# KiCad board microcyte_panel.kicad_pcb (continued)
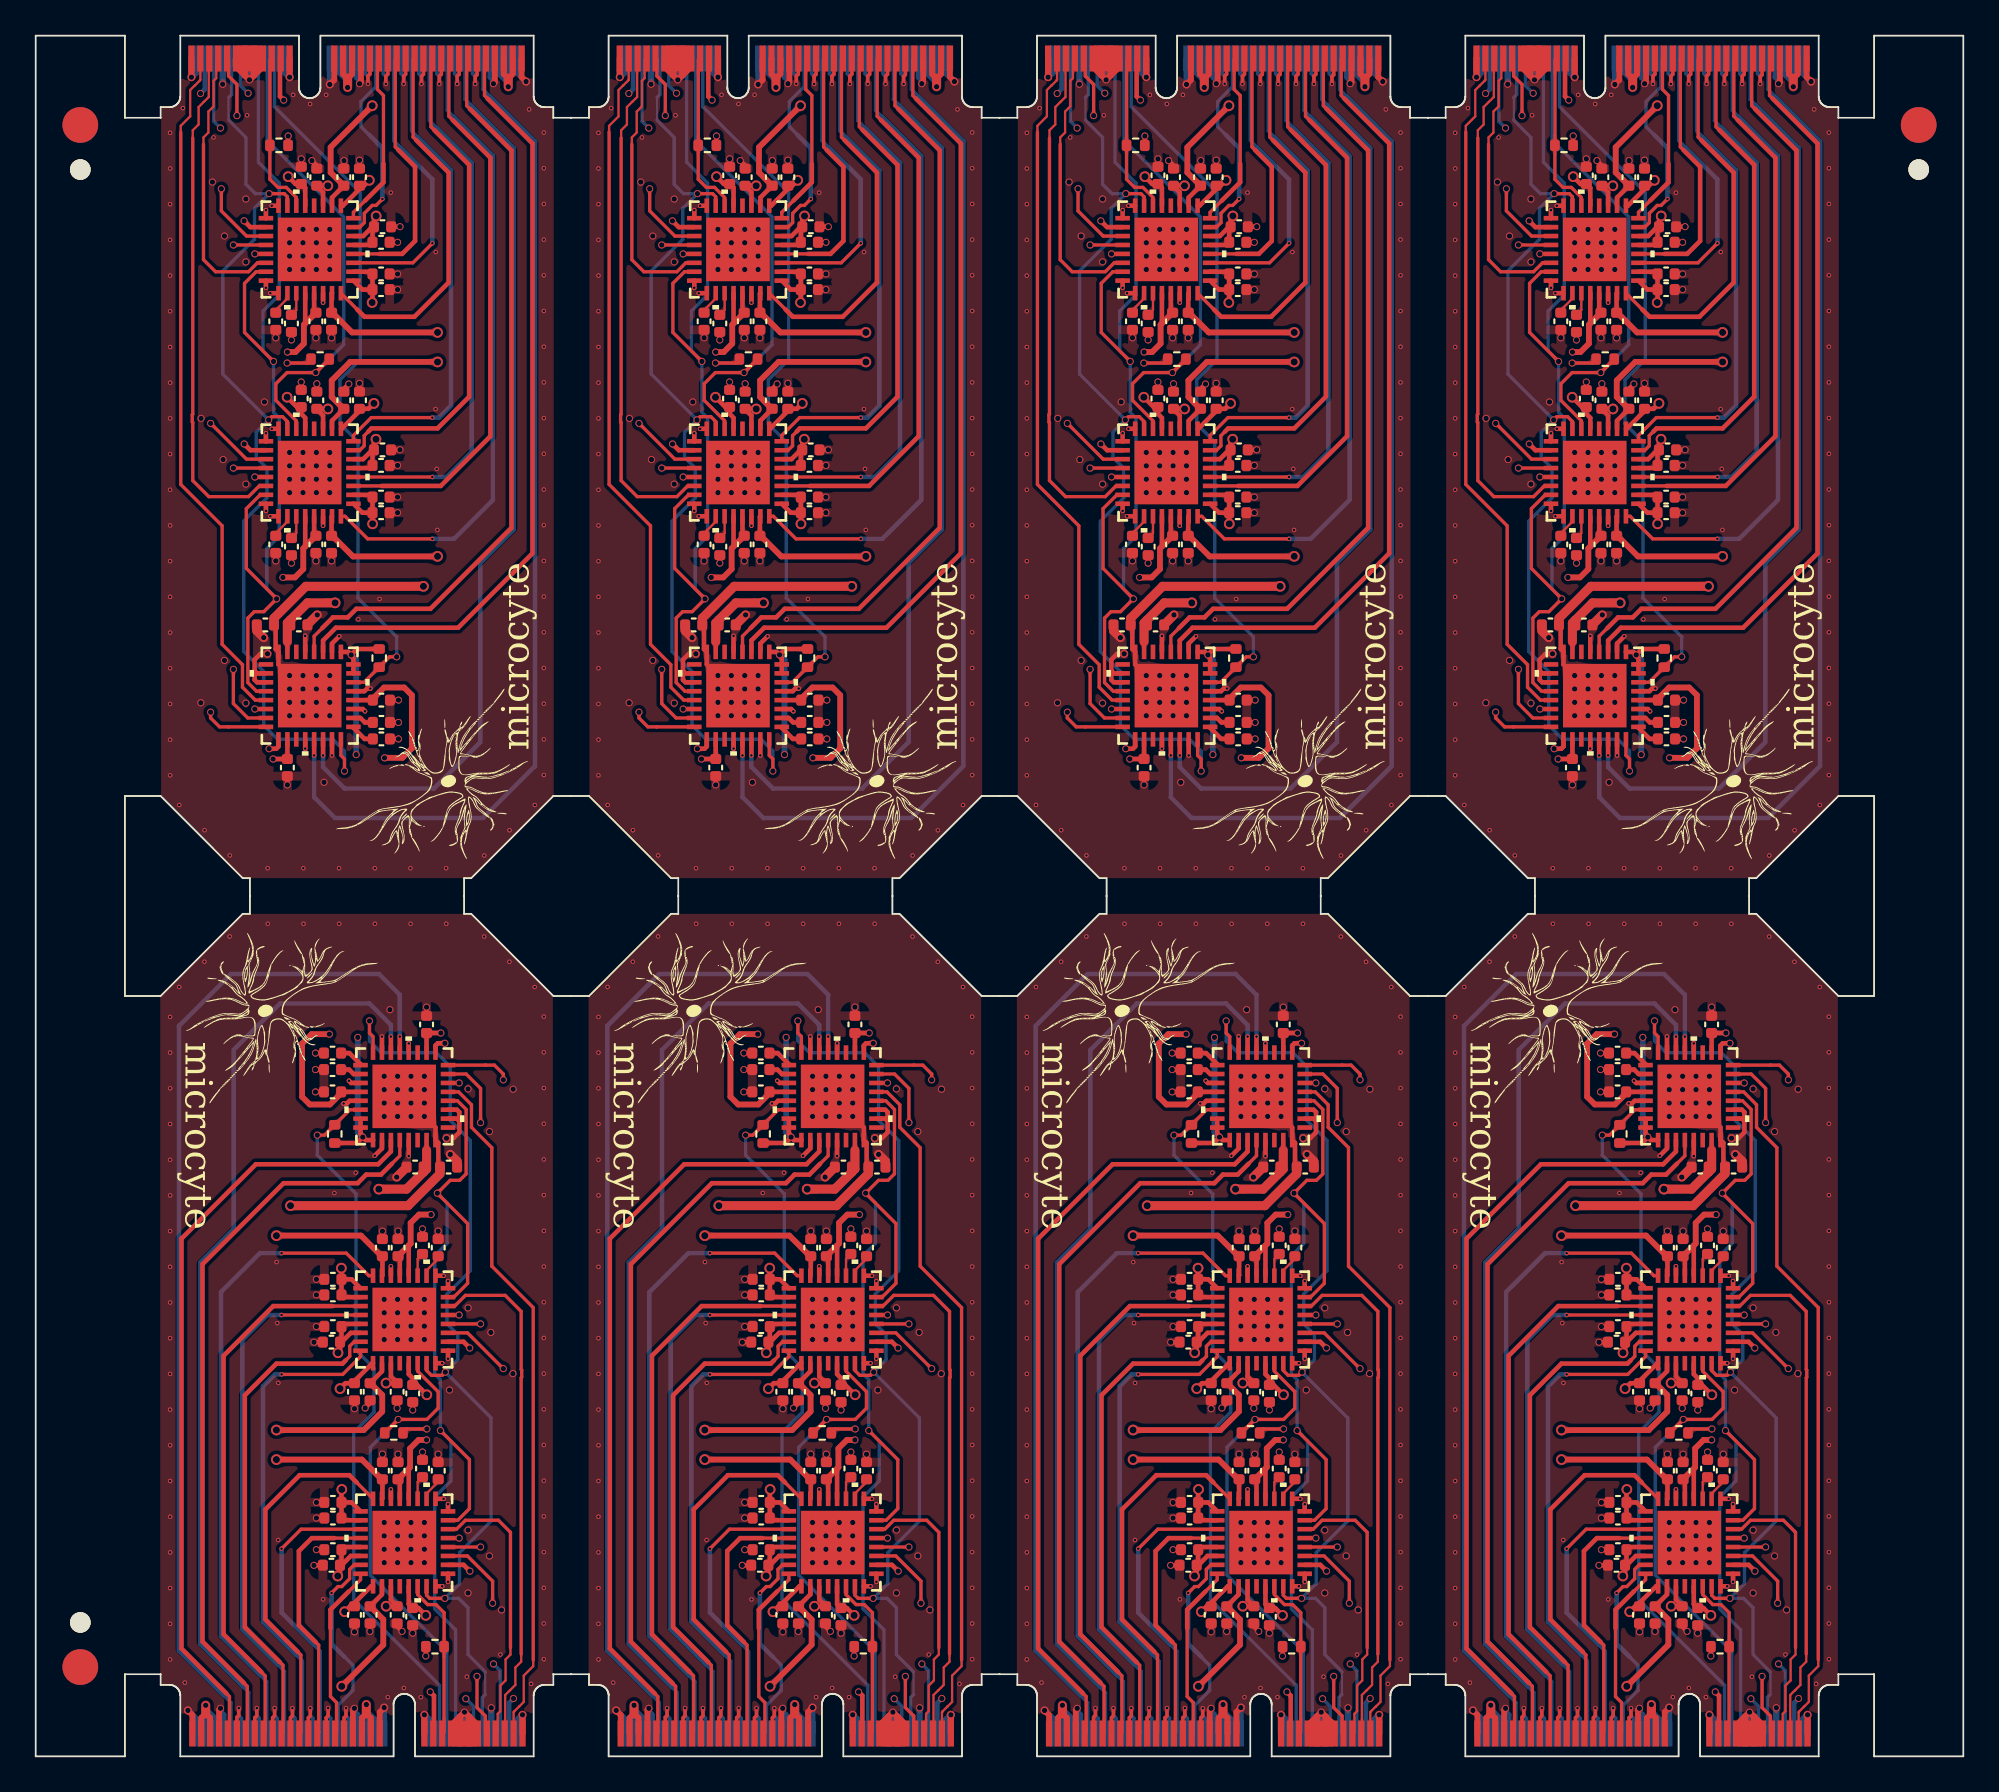
[diagram p0: board, top side]
## Routing (per net, layer and track width the routed paths; a pad name or vN(x,y) marks a point on that pad's centre or on a via; arc(x,y) is an arc through that point) (continued)
  In3.Cu w0.186: v2(49.65,5.18) 49.61,5.22 49.61,8.57 v2(49.6,8.58) 50.2,9.18 v2(50.2,21.72) v2(50.2,37.9)
  Bottom w0.186: J1#5.6 50.03,4.8 v2(49.65,5.18)
Board_5-Net-(U1-REF): length 1.4
  Top w0.127: U1.10 45.9,14.73 46.55,15.38 C3#2.1
Board_5-Net-(U1-REFCOMP): length 1.3
  Top w0.127: U1.11 45.4,15.37 C4#8.1
Board_5-Net-(U2-REF): length 1.4
  Top w0.127: U2#3.10 45.9,27.23 46.55,27.88 C5#7.1
Board_5-Net-(U2-REFCOMP): length 1.3
  Top w0.127: U2#3.11 45.4,27.87 C6#5.1
Board_5-Net-(U3-REF): length 1.4
  Top w0.254: C1#3.1 41.58,39.4 42.2,38.78 U3#3.25
Board_5-Net-(U3-REFCOMP): length 1.2
  Top w0.254: U3#3.26 41.81,38.23 41.56,38.48 C2#5.1
Board_5-SCLK: length 38.7
  Top w0.186: v2(47.73,24.73) 47.1,24.73 ; v2(47.73,37.73) U3#3.14 ; U1.5 v2(47.73,12.23)
  In3.Cu w0.186: v2(48.1,3.23) 47.73,3.6 v2(47.73,12.23) v2(47.73,24.73) v2(47.73,37.73)
  Bottom w0.186: v2(48.1,3.23) 48.53,2.8 J1#5.12
Board_5-SS1: length 15.7
  Top w0.127: 50.6,6.09 50.6,5.7 50.33,5.43 50.33,4.25 50.04,3.96 50.04,2.53 49.89,2.38 49.89,1.39 J1#5.7
  Top w0.186: U1.6 47.58,12.73 48.08,13.23 49.93,13.23 50.6,12.55 50.6,6.09 ; 49.85,1.35 J1#5.7
Board_5-SS2: length 28.8
  Top w0.127: 51.2,5.74 51.2,5.3 50.88,4.98 50.88,4 50.58,3.7 50.58,3.7 50.3,3.43 50.3,1.3 J1#5.5
  Top w0.186: 51.2,5.74 51.2,21.21 51.23,21.24 51.23,21.64 51.2,21.67 51.2,24.93 50.3,25.83 48.08,25.83 47.48,25.23 U2#3.6
Board_5-SS3: length 38.7
  Top w0.127: 51.88,5.41 51.88,5.05 51.35,4.52 51.35,3.05 51.09,2.79 51.08,2.79 50.81,2.52 50.81,2.51 50.78,2.48 J1#5.3
  Top w0.186: U3#3.13 47.69,37.23 48.42,36.5 48.42,35.24 49.56,34.1 49.56,27.46 51.88,25.14 51.88,5.41
Board_5-TEMP: length 40.4
  Top w0.186: U3#3.30 41.6,36.23 R5#8.2 40.18,34.8 v2(39.78,34.8)
  Bottom w0.127: 46.63,1.38 J1#5.20
  Bottom w0.186: 46.63,1.38 46.63,3.98 41.82,8.79 41.82,18.14 42.95,19.28 42.95,21.75 41.95,22.76 41.95,31.51 39.78,33.68 v2(39.78,34.8)
Board_5-Vb0: length 43.3
  Top w0.186: J1#5.67 34.86,1.36 34.86,3.35 34.68,3.53
  Top w0.254: U3#3.3 43.9,33.88 43.19,33.17 36.34,33.17 32.17,29 32.17,6.04 34.68,3.53
Board_5-Vb1: length 41.8
  Top w0.186: 35.67,4.11 35.86,3.92 35.86,1.36 J1#5.63 ; 43.95,33.19 44.4,33.65 U3#3.4
  Top w0.254: 43.95,33.19 43.35,32.59 42.52,32.59 42.04,32.11 37.89,32.11 33.35,27.57 33.35,6.43 35.67,4.11
Board_5-Vb2: length 58.2
  Top w0.254: U3#3.21 v4(44.4,40.33)
  Bottom w0.186: 34.55,3.4 34.95,3 34.95,1.36 J1#5.66
  Bottom w0.254: v4(44.4,40.33) 44.4,42.66 43.24,43.83 34.94,43.83 32.03,40.92 32.03,5.92 34.55,3.4
Board_5-Vb3: length 52.2
  Top w0.254: U3#3.22 v4(43.9,40.33)
  Bottom w0.127: v4(43.9,40.33) 43.9,40.28
  Bottom w0.186: 35.63,3.89 35.95,3.57 35.95,1.36 J1#5.62
  Bottom w0.254: 35.63,3.89 33.23,6.29 33.23,27.67 35.1,29.54 35.1,39.58 37.7,42.18 42.7,42.18 43.9,40.97 v4(43.9,40.33)
Board_6-+5V: length 46.6
  Top w0.186: 70.3,1.29 70.28,1.28
  Top w0.2: v2(69.92,18.34) 68.8,18.34 R1.1 ; v2(69.86,5.62) 69.86,5.63 R3#8.1
  Top w0.254: 65.11,37.21 C30#3.1 66.2,37.23 ; v2(72.33,10.38) 71.98,10.73 U1#4.2 ; U3#5.18 C29#3.1 v2(70.7,40.53) ; U2.2 71.97,23.23 v2(72.32,22.88) ; 68.29,15.52 68.4,15.41 U1#4.13 ; v2(66.33,34.69) 66.49,34.52 U3#5.1 66.9,34.53 ; v2(66.33,34.69) 66,34.36 R5#5.1 ; v2(66.33,34.69) 66.33,34.76 66.2,34.88 U3#5.32 U3#5.31 ; 70.3,1.29 70.32,1.32 70.32,3.4 v2(70.11,3.61) ; v1(69.91,20.26) 69.91,20.26 69.36,20.81 C26#8.1 69.12,21.19 68.9,21.41 U2.29 ; 68.29,28.02 68.4,27.91 U2.13 ; v1(69.86,7.9) 69.45,8.31 C16#4.1 68.9,8.53 U1#4.29 ; U3#5.17 70.4,39.82 70.53,39.95 v2(70.93,39.95) ; U2.12 68.9,28.62 ; U1#4.12 68.9,16.12
  Top w0.325: C25#2.1 69.01,28.73 69.01,29.88 69.48,30.35 v2(70.15,30.35) ; v2(64.46,40.46) 63.46,40.46 62.93,39.93 62.93,36.95 63.36,36.52 64.49,36.52 65.11,37.15 65.11,37.21 ; v2(69.9,17.73) 69.45,17.73 68.98,17.25 68.98,16.19 C15#6.1
  Bottom w0.254: v2(74.77,3.24) 74.53,3 J1#3.4
  Bottom w0.325: v2(66.05,40.28) 66.05,34.97 v2(66.33,34.69)
Board_6-+10V: length 36.2
  Top w0.2: U3#5.7 69.9,33.95
  Top w0.254: v1(65.13,27.35) 65.13,27.34 C17#5.1 ; U1#4.25 66.79,9.52 65.86,8.6 65.86,8.49 ; 66.2,11.23 65.65,11.23 65.13,10.71 ; U2.27 67.9,21.27 68.27,20.91 ; C17#5.1 C18#2.1 65.26,25.73 U2.18 ; C17#5.1 65.7,26.73 U2.17 ; 65.86,8.48 65.86,8.41 65.61,8.41 v1(65.31,8.1) ; 68.25,20.91 67.64,20.91 v1(67.63,20.91) ; v1(64.94,22.61) 64.94,22.71 65.05,22.83 C20#4.1 65.13,23.29 C19#5.1 ; U1#4.27 67.9,8.77 68.27,8.41 ; C7.1 65.13,14.93 v1(65.15,14.95) ; C7.1 C8#6.1 65.26,13.23 U1#4.18 ; C7.1 65.7,14.23 U1#4.17 ; v1(64.93,10.1) 64.98,10.1 65.05,10.17 C10#2.1 65.13,10.79 C9#2.1 ; 65.14,23.21 65.66,23.72 U2.22 ; U1#4.21 65.28,11.73 ; U2.21 65.28,24.22 65.13,24.07 ; 68.25,8.41 67.64,8.41 v1(67.63,8.41) ; U2.25 66.86,22.02 65.86,21.03 65.86,20.98 65.86,20.91 65.36,20.91 v1(65.05,20.6)
  Top w0.325: 66.28,1.28 66.28,2.15 66.53,2.4 66.78,2.15 66.78,1.28
  Top w0.508: v2(66.53,2.9) 66.53,2.4 ; 69.9,33.95 69.9,32.91 69.74,32.74 ; 69.74,32.74 68.77,31.78 v1(67.23,31.78) ; 69.74,32.74 C27#5.1
  In2.Cu w0.508: v2(66.53,2.9) 66.53,3.4
  Bottom w0.325: J1#3.36 v2(66.53,2.9) 66.53,2.52 67.03,2.02 J1#3.34
Board_6--10V: length 51.2
  Top w0.254: v2(69.78,35.85) 70.4,35.23 U3#5.8 70.56,34.37 70.56,33.11 C28#4.1 ; 67.38,15.52 C14#3.1 67.43,14.45 U1#4.15 ; 67.43,28.02 67.43,26.95 U2.15 ; v1(61.49,29.17) 61.49,29.18 ; 67.38,28.02 C24#8.1 ; 66.75,20.91 66.74,20.91 67.4,21.57 U2.26 ; U1#4.26 67.4,9.07 66.74,8.41 ; v1(61.49,18.28) 61.49,18.28
  Top w0.325: 66.75,20.91 67.42,20.24 67.42,19.32 66.38,18.28 61.49,18.28 ; v1(61.49,16.62) 66.28,16.62 67.38,15.52 ; v1(65.15,3.92) 67.48,6.25 67.48,7.67 66.74,8.41 ; 57.78,1.28 57.78,2.15 57.53,2.4 57.28,2.15 57.28,1.28 ; 67.38,28.02 66.23,29.18 61.49,29.18
  Top w0.508: C28#4.1 70.65,32.64 68.87,30.85 v1(62.28,30.85) ; v2(57.53,2.86) 57.53,2.4
  In2.Cu w0.508: v2(57.53,2.86) 57.53,3.29
  Bottom w0.325: J1#3.72 v2(57.53,2.86) 57.53,2.63 58.03,2.13 J1#3.70
  vias: v2(67.53,38.1) v2(67.53,37.35) v2(67.53,36.6) v2(67.53,35.85) v2(68.28,38.1) v2(68.28,37.35) v2(68.28,36.6) v2(68.28,35.85) v2(69.03,38.1) v2(69.03,37.35) v2(69.03,36.6) v2(69.03,35.85) v2(69.78,38.1) v2(69.78,37.35) v2(69.78,36.6)
Board_6-CLR: length 53.8
  Top w0.186: v2(70.95,21.53) 70.77,21.35 70.17,21.35 69.9,21.62 U2.31 ; U3#5.24 66.9,40.32 66.7,40.53 v2(66.7,41.2) ; v2(70.93,8.85) 70.08,8.85 69.9,9.03 U1#4.31
  Bottom w0.127: 73.19,3.46 73.19,4.74
  Bottom w0.186: 73.19,3.46 73.03,3.3 J1#3.10 ; v2(66.7,41.2) 66.7,40.08 67.36,39.42 70.45,39.42 71.23,38.64 71.23,35.62 72.35,34.5 72.35,27.21 71.05,25.9 71.05,24.23 71.65,23.63 71.65,22.22 v2(70.95,21.53) 73.52,18.96 73.52,13.18 71.75,11.41 71.75,9.67 v2(70.93,8.85) 71.7,8.85 72.23,8.33 72.23,5.7 73.19,4.74
Board_6-FAULT1: length 9.2
  Top w0.186: U1#4.30 69.4,9.06 69.96,8.5 70.43,8.5 70.88,8.04 R3#8.2 70.88,6.14 70.88,1.38 70.78,1.28
Board_6-FAULT2: length 26.6
  Top w0.186: v2(68.31,18.88) 69.92,18.88 70.55,19.5 70.55,20.43 69.4,21.57 U2.30
  Top w0.2: v2(68.31,18.88) R1.2
  Bottom w0.186: v2(68.31,18.88) 66.75,17.31 66.75,10.16 71.03,5.88 J1#3.18
Board_6-GND: length 72.1
  Top w0.127: U2.9 70.41,26.93 ; U1#4.9 70.41,14.43
  Top w0.2: 59.28,1.28 59.28,2.19 59.38,2.29 v4(59.38,2.7) ; 63.28,1.28 63.28,2.16 63.39,2.27 v4(63.39,2.7) ; v4(64.39,2.7) 64.39,2.27 64.28,2.16 64.28,1.28 ; v4(62.39,2.7) 62.39,2.27 62.28,2.16 62.28,1.28 ; 65.28,1.27 65.28,2.16 65.39,2.27 v4(65.39,2.7) ; v4(60.39,2.7) 60.39,2.27 60.28,2.16 60.28,1.28 ; v4(61.39,2.7) 61.39,2.27 61.28,2.16 61.28,1.28
  Top w0.254: C22#3.2 v2(68.25,19.5) ; v2(65.86,19.48) C21#6.2 ; C15#6.2 v2(68.3,16.93) ; v4(70.78,22.03) 70.4,22.03 U2.32 ; v4(71.1,22.28) 71.1,22.72 U2.1 ; 67.43,28.98 v2(67.43,29.43) ; v4(71.1,26.62) 71.1,26.23 U2.8 ; C12#5.2 68.25,7.27 v2(68.53,7) ; C30#3.2 v2(63.68,37.23) ; v4(65.25,36.58) 65.44,36.58 65.59,36.73 66.2,36.73 ; v3(71.02,34.63) 71.41,34.63 71.74,34.96 71.74,35.58 ; U3#5.20 v4(68.9,39.94) ; C26#8.2 v2(69.12,19.4) ; C17#5.2 v2(63.73,26.72) ; U3#5.27 65.68,37.73 v4(65.55,37.85) ; v4(71.1,14.12) 71.1,13.73 U1#4.8 ; C19#5.2 v2(63.73,24.08) ; C25#2.2 v2(68.3,29.43) ; 71.74,35.58 71.74,36.09 71.6,36.22 U3#5.11 ; 71.74,35.58 71.59,35.73 U3#5.10 ; U3#5.5 v4(68.9,33.63) ; v2(65.86,6.98) C11#8.2 ; C9#2.2 v2(63.73,11.57) ; v4(67,33.65) 67.4,34.06 U3#5.2 ; C27#5.2 68.78,33 ; 64.17,23.2 v2(63.59,23.2) ; U3#5.23 v4(67.4,40.33) ; v4(70.85,26.93) U2.9 ; C4#4.2 v2(69.67,17.05) ; v2(66.46,19.51) 66.74,19.79 C23#3.2 ; v4(67.9,14.95) U1#4.14 ; C29#3.2 v2(69.9,41.98) ; C16#4.2 v2(69.12,6.9) ; 64.17,10.7 v2(63.59,10.7) ; C3#7.2 v2(70.55,16.93) ; 66.74,7.01 C13#3.2 ; C1#4.2 v2(63.68,39.4) ; v4(70.85,14.43) U1#4.9 ; C2#6.2 v2(63.68,38.48) ; C6.2 v2(69.67,29.55) ; v4(70.78,9.53) 70.4,9.53 U1#4.32 ; C14#3.2 v2(67.43,16.93) ; C8#6.2 v2(63.73,13.35) ; v4(71.1,9.78) 71.1,10.22 U1#4.1 ; C7.2 v2(63.73,14.22) ; v4(67.9,27.45) U2.14 ; C18#2.2 v2(63.73,25.85) ; C5#5.2 v2(70.55,29.43)
  Top w0.325: v3(67.52,2.73) 67.52,2.73 67.27,2.48 67.27,1.27 ; v2(58.36,2.69) 58.28,2.61 58.28,1.28 ; 56.78,1.28 56.78,2.32 v3(56.53,2.57) ; v2(65.86,2.69) 65.78,2.61 65.78,1.28
  Top w0.35: 72.28,2.23 72.28,1.28 ; 72.28,2.23 v2(72.03,2.48) 71.78,2.23 ; 72.28,2.23 72.78,1.73 72.78,1.28 ; 71.78,2.23 71.28,1.73 71.28,1.28 ; 71.78,2.23 71.78,1.28 ; 69.78,1.28 v3(69.78,2.33) ; 75.28,1.28 v3(75.28,2.33)
  Top w0.508: C28#4.2 71.61,33.34 v2(71.23,33.73) ; 68.78,33 v3(68.23,32.45)
  Bottom w0.186: v3(56.53,2.57) 56.54,2.57
  Bottom w0.2: 65.53,1.27 65.53,2.12 65.39,2.27 v4(65.39,2.7) ; J1#3.64 59.53,2.12 59.38,2.27 v4(59.38,2.7) ; J1#3.48 63.53,2.13 63.39,2.27 v4(63.39,2.7) ; v4(60.39,2.7) 60.39,2.27 60.53,2.13 J1#3.60 ; J1#3.52 62.53,2.13 62.39,2.27 v4(62.39,2.7) ; v4(64.39,2.7) 64.39,2.27 64.53,2.13 J1#3.44 ; v4(61.39,2.7) 61.39,2.27 61.53,2.13 J1#3.56
  Bottom w0.325: J1#3.38 66.03,2.32 65.86,2.49 v2(65.86,2.69) ; 56.54,2.57 57.03,2.08 57.03,1.28 ; J1#3.68 58.53,2.32 58.36,2.49 v2(58.36,2.69) ; 67.52,1.27 v3(67.52,2.73)
  Bottom w0.35: v2(72.03,2.48) J1#3.14 ; J1#3.2 75.03,2.08 v3(75.28,2.33) ; J1#3.8 v2(73.53,2.72) ; v3(69.78,2.33) 70.03,2.08 J1#3.22
  vias: v2(66.73,7) v2(67.53,25.6) v2(67.53,24.85) v2(67.53,24.1) v2(67.53,23.35) v2(67.53,13.1) v2(67.53,12.35) v2(67.53,11.6) v2(67.53,10.85) v2(67.85,41.83) v2(68.28,25.6) v2(68.28,24.85) v2(68.28,24.1) v2(68.28,23.35) v2(68.28,13.1) v2(68.28,12.35) v2(68.28,11.6) v2(68.28,10.85) v2(69.03,25.6) v2(69.03,24.85) v2(69.03,24.1) v2(69.03,23.35) v2(69.03,13.1) v2(69.03,12.35) v2(69.03,11.6) v2(69.03,10.85) v2(69.78,25.6) v2(69.78,24.85) v2(69.78,24.1) v2(69.78,23.35) v2(69.78,13.1) v2(69.78,12.35) v2(69.78,11.6) v2(69.78,10.85) v2(71.19,20.52) v2(72.23,37.39) v2(72.23,25.12) v2(72.23,12.68) v2(72.23,9.15) v2(73.43,35) v2(73.43,11.23) v2(73.5,23.75) v2(74.1,8.2) v2(74.75,37.38) v2(74.74,21.44) v4(55.53,41.43) v4(55.53,39.43) v4(55.53,37.43) v4(55.53,35.43) v4(55.53,33.43) v4(55.53,31.43) v4(55.53,29.43) v4(55.53,27.43) v4(55.53,25.43) v4(55.53,23.43) v4(55.53,21.43) v4(55.53,19.43) v4(55.53,17.43) v4(55.53,15.43) v4(55.53,13.43) v4(55.53,11.43) v4(55.53,9.43) v4(55.53,7.43) v4(55.53,5.43) v4(56.04,43.1) v4(56.36,4.13) v4(57.45,44.52) v4(58.87,45.93) v4(61,46.65) v4(61.5,27.69) v4(61.54,24.27) v4(61.6,20.92) v4(61.59,12.12) v4(63,46.65) v4(64.11,8.79) v4(64.74,31.56) v4(65,46.65) v4(65.93,32.7) v4(67,46.65) v4(67.73,3.31) v4(68.63,3.83) v4(69,46.65) v4(69.58,3.31) v4(71,46.65) v4(72.16,4.46) v4(73.13,45.93) v4(74.04,5.7) v4(74.54,44.51) v4(75.76,4.06) v4(75.96,43.1) v4(76.47,41.44) v4(76.47,39.44) v4(76.47,37.44) v4(76.47,35.44) v4(76.47,33.44) v4(76.47,31.44) v4(76.47,29.44) v4(76.47,27.44) v4(76.47,25.44) v4(76.47,23.44) v4(76.47,21.44) v4(76.47,19.44) v4(76.47,17.44) v4(76.47,15.44) v4(76.47,13.44) v4(76.47,11.44) v4(76.47,9.44) v4(76.47,7.44) v4(76.47,5.44)
Board_6-I0: length 9.8
  Top w0.186: 65.55,9.24 66.2,9.9 U1#4.24 ; 64.78,1.28 64.86,1.36 64.86,3.01 64.52,3.35 64.52,7.19
  Top w0.254: 65.55,9.24 64.52,8.21 64.52,7.19
Board_6-I1: length 11.3
  Top w0.186: U1#4.23 65.84,10.73 65.59,10.47 65.59,9.95 65.15,9.51 64.94,9.51 v4(64.58,9.15)
  Bottom w0.186: 65.32,5.56 65.78,5.1 65.78,3.69 64.95,2.86 64.95,1.36 J1#3.42
  Bottom w0.254: 65.32,5.56 64.58,6.3 v4(64.58,9.15)
Board_6-I2: length 14.5
  Top w0.186: U1#4.20 64.73,12.22 ; 63.68,6.41 63.86,6.23 63.86,1.36 63.78,1.28
  Top w0.254: 63.68,6.41 62.75,7.34 62.75,11.5 63.47,12.22 64.73,12.22
Board_6-I3: length 16.2
  Top w0.186: U1#4.19 62.87,12.73 v4(61.78,11.63)
  Bottom w0.186: J1#3.46 63.95,1.36 63.95,5.88 63.57,6.26
  Bottom w0.254: v4(61.78,11.63) 61.78,8.05 63.57,6.26
Board_6-I4: length 20.8
  Top w0.186: 65.98,15.35 U1#4.16 ; 62.68,5.86 62.86,5.68 62.86,1.36 62.78,1.28
  Top w0.254: 62.68,5.86 60.87,7.67 60.87,13.83 62.79,15.75 65.58,15.75 65.98,15.35
Board_6-I5: length 26.9
  Top w0.186: U2.24 66.2,22.4 65.2,21.4 v4(61.78,21.4)
  Bottom w0.186: 62.59,5.69 62.95,5.33 62.95,1.36 J1#3.50
  Bottom w0.254: 62.59,5.69 60.74,7.54 60.74,20.73 61.4,21.4 v4(61.78,21.4)
Board_6-I6: length 27.9
  Top w0.186: 65.36,22.18 65.6,22.41 65.6,22.98 65.84,23.23 U2.23 ; 61.68,5.28 61.86,5.1 61.86,1.36 61.78,1.28
  Top w0.254: 65.36,22.18 65.19,22 61.49,22 59.72,20.23 59.72,7.24 61.68,5.28
Board_6-I7: length 30.3
  Top w0.186: v4(61.78,24.72) U2.20
  Bottom w0.186: 61.57,5.13 61.95,4.75 61.95,1.36 J1#3.54
  Bottom w0.254: 61.57,5.13 59.58,7.12 59.58,23.32 60.98,24.72 v4(61.78,24.72)
Board_6-I8: length 31
  Top w0.186: U2.19 64.62,25.23 ; 60.78,1.28 60.86,1.36 60.86,4.51 60.64,4.73
  Top w0.254: 64.62,25.23 61.31,25.23 58.53,22.44 58.53,6.84 60.64,4.73
Board_6-I9: length 35.8
  Top w0.186: v4(61.78,28.19) 65.4,28.19 66.67,26.93 U2.16
  Bottom w0.186: 60.61,4.52 60.95,4.18 60.95,1.36 J1#3.58
  Bottom w0.254: 60.61,4.52 58.39,6.74 58.39,26.01 60.57,28.19 v4(61.78,28.19)
Board_6-LDAC: length 52.6
  Top w0.186: U3#5.12 71.63,36.73 72.12,36.24 72.12,32.63 71.76,32.27 71.22,32.27 v2(70.5,31.55) 70.5,31.55 72.2,29.84 72.2,26.5 71.43,25.73 U2.7 ; U1#4.7 71.65,13.23 72.3,13.88 72.3,16.62 v2(70.68,18.25)
  Bottom w0.186: v2(70.5,31.55) 71.05,31 71.05,28.74 70.36,28.05 70.36,21.42 70.68,21.1 v2(70.68,18.25) 71.26,17.66 71.26,15.43 70.36,14.52 70.36,8.26 71.53,7.09 J1#3.16
Board_6-MISO: length 42.3
  Top w0.186: v2(72.93,35.5) 72.93,37.42 72.12,38.23 U3#5.15 ; v2(72.73,4.48) 72.73,2.73 73.2,2.26 73.2,1.36 73.28,1.28 ; v2(72.93,24.23) U2.4 ; v2(72.93,11.73) U1#4.4
  In3.Cu w0.186: v2(72.93,35.5) v2(72.93,24.23) v2(72.93,11.73) 72.93,9.45 72.73,9.25 v2(72.73,4.48)
Board_6-MOSI: length 48.9
  Top w0.186: U3#5.16 73.7,38.73 74.2,38.23 v2(74.2,37.9) ; v2(73.6,8.58) 73.6,9.82 72.19,11.22 U1#4.3 ; U2.3 72.19,23.72 74.2,21.72 v2(74.2,21.72)
  In3.Cu w0.186: v2(74.2,37.9) v2(74.2,21.72) 74.2,9.18 v2(73.6,8.58) 73.61,8.57 73.61,5.22 v2(73.65,5.18)
  Bottom w0.186: J1#3.6 74.03,4.8 v2(73.65,5.18)
Board_6-Net-(U1-REF): length 1.4
  Top w0.127: C3#7.1 70.55,15.38 69.9,14.73 U1#4.10
Board_6-Net-(U1-REFCOMP): length 1.3
  Top w0.127: C4#4.1 69.4,15.37 U1#4.11
Board_6-Net-(U2-REF): length 1.4
  Top w0.127: C5#5.1 70.55,27.88 69.9,27.23 U2.10
Board_6-Net-(U2-REFCOMP): length 1.3
  Top w0.127: U2.11 69.4,27.87 C6.1
Board_6-Net-(U3-REF): length 1.4
  Top w0.254: U3#5.25 66.2,38.78 65.58,39.4 C1#4.1
Board_6-Net-(U3-REFCOMP): length 1.2
  Top w0.254: U3#5.26 65.81,38.23 65.56,38.48 C2#6.1
Board_6-SCLK: length 38.7
  Top w0.186: v2(71.73,37.73) U3#5.14 ; v2(71.73,24.73) 71.1,24.73 ; U1#4.5 v2(71.73,12.23)
  In3.Cu w0.186: v2(71.73,37.73) v2(71.73,24.73) v2(71.73,12.23) 71.73,3.6 v2(72.1,3.23)
  Bottom w0.186: v2(72.1,3.23) 72.53,2.8 J1#3.12
Board_6-SS1: length 15.7
  Top w0.127: 73.78,1.28 73.89,1.39 73.89,2.38 74.04,2.53 74.04,3.96 74.33,4.25 74.33,5.43 74.6,5.7 74.6,6.09
  Top w0.186: 73.85,1.35 73.78,1.28 ; U1#4.6 71.58,12.73 72.08,13.23 73.93,13.23 74.6,12.55 74.6,6.09
Board_6-SS2: length 28.8
  Top w0.127: 75.2,5.74 75.2,5.3 74.88,4.98 74.88,4 74.58,3.7 74.58,3.7 74.3,3.43 74.3,1.3 74.28,1.28
  Top w0.186: 75.2,5.74 75.2,21.21 75.23,21.24 75.23,21.64 75.2,21.67 75.2,24.93 74.3,25.83 72.08,25.83 71.48,25.23 U2.6
Board_6-SS3: length 38.7
  Top w0.127: 75.88,5.41 75.88,5.05 75.35,4.52 75.35,3.05 75.09,2.79 75.08,2.79 74.81,2.52 74.81,2.51 74.78,2.48 74.78,1.28
  Top w0.186: 75.88,5.41 75.88,25.14 73.56,27.46 73.56,34.1 72.42,35.24 72.42,36.5 71.69,37.23 U3#5.13
Board_6-TEMP: length 40.4
  Top w0.186: v2(63.78,34.8) 64.18,34.8 R5#5.2 65.6,36.23 U3#5.30
  Bottom w0.127: 70.63,1.38 J1#3.20
  Bottom w0.186: 70.63,1.38 70.63,3.98 65.82,8.79 65.82,18.14 66.95,19.28 66.95,21.75 65.95,22.76 65.95,31.51 63.78,33.68 v2(63.78,34.8)
Board_6-Vb0: length 43.3
  Top w0.186: 58.68,3.53 58.86,3.35 58.86,1.36 58.78,1.28
  Top w0.254: U3#5.3 67.9,33.88 67.19,33.17 60.34,33.17 56.17,29 56.17,6.04 58.68,3.53
Board_6-Vb1: length 41.8
  Top w0.186: 67.95,33.19 68.4,33.65 U3#5.4 ; 59.78,1.28 59.86,1.36 59.86,3.92 59.67,4.11
  Top w0.254: 59.67,4.11 57.35,6.43 57.35,27.57 61.89,32.11 66.04,32.11 66.52,32.59 67.35,32.59 67.95,33.19
Board_6-Vb2: length 58.2
  Top w0.254: U3#5.21 v4(68.4,40.33)
  Bottom w0.186: 58.55,3.4 58.95,3 58.95,1.36 J1#3.66
  Bottom w0.254: v4(68.4,40.33) 68.4,42.66 67.24,43.83 58.94,43.83 56.03,40.92 56.03,5.92 58.55,3.4
Board_6-Vb3: length 52.2
  Top w0.254: U3#5.22 v4(67.9,40.33)
  Bottom w0.127: v4(67.9,40.33) 67.9,40.28
  Bottom w0.186: J1#3.62 59.95,1.36 59.95,3.57 59.63,3.89
  Bottom w0.254: 59.63,3.89 57.23,6.29 57.23,27.67 59.1,29.54 59.1,39.58 61.7,42.18 66.7,42.18 67.9,40.97 v4(67.9,40.33)
Board_7-+5V: length 46.6
  Top w0.186: 94.3,1.29 94.28,1.28
  Top w0.2: v2(93.86,5.62) 93.86,5.63 R3#2.1 ; v2(93.92,18.34) 92.8,18.34 R1#4.1
  Top w0.254: 92.29,28.02 92.4,27.91 U2#4.13 ; v1(93.91,20.26) 93.91,20.26 93.36,20.81 C26#6.1 93.12,21.19 92.9,21.41 U2#4.29 ; v2(94.7,40.53) C29#8.1 U3.18 ; v2(96.32,22.88) 95.97,23.23 U2#4.2 ; v2(90.33,34.69) 90.33,34.76 90.2,34.88 U3.32 U3.31 ; v2(90.33,34.69) 90,34.36 R5#2.1 ; v2(90.33,34.69) 90.49,34.52 U3.1 90.9,34.53 ; U1#2.2 95.98,10.73 v2(96.33,10.38) ; U1#2.29 92.9,8.53 C16#8.1 93.45,8.31 v1(93.86,7.9) ; 94.3,1.29 94.32,1.32 94.32,3.4 v2(94.11,3.61) ; 90.2,37.23 C30#7.1 89.11,37.21 ; 92.29,15.52 92.4,15.41 U1#2.13 ; v2(94.93,39.95) 94.53,39.95 94.4,39.82 U3.17 ; U2#4.12 92.9,28.62 ; U1#2.12 92.9,16.12
  Top w0.325: C15#5.1 92.98,16.19 92.98,17.25 93.45,17.73 v2(93.9,17.73) ; 89.11,37.21 89.11,37.15 88.49,36.52 87.36,36.52 86.93,36.95 86.93,39.93 87.46,40.46 v2(88.46,40.46) ; C25#3.1 93.01,28.73 93.01,29.88 93.48,30.35 v2(94.15,30.35)
  Bottom w0.254: J1#4.4 98.53,3 v2(98.77,3.24)
  Bottom w0.325: v2(90.33,34.69) 90.05,34.97 v2(90.05,40.28)
Board_7-+10V: length 36.2
  Top w0.2: U3.7 93.9,33.95
  Top w0.254: v1(91.63,8.41) 91.64,8.41 92.25,8.41 ; 89.14,23.21 89.66,23.72 U2#4.22 ; 92.27,20.91 91.9,21.27 U2#4.27 ; 89.13,10.71 89.65,11.23 90.2,11.23 ; v1(89.13,27.35) 89.13,27.34 C17#2.1 ; U2#4.21 89.28,24.22 89.13,24.07 ; U2#4.25 90.86,22.02 89.86,21.03 89.86,20.98 89.86,20.91 89.36,20.91 v1(89.05,20.6) ; 92.25,20.91 91.64,20.91 v1(91.63,20.91) ; 92.27,8.41 91.9,8.77 U1#2.27 ; 89.86,8.49 89.86,8.6 90.79,9.52 U1#2.25 ; C17#2.1 89.7,26.73 U2#4.17 ; C17#2.1 C18#5.1 89.26,25.73 U2#4.18 ; 89.86,8.48 89.86,8.41 89.61,8.41 v1(89.31,8.1) ; v1(89.15,14.95) 89.13,14.93 C7#7.1 ; v1(88.93,10.1) 88.98,10.1 89.05,10.17 C10#7.1 89.13,10.79 C9.1 ; U1#2.18 89.26,13.23 C8#7.1 C7#7.1 ; C7#7.1 89.7,14.23 U1#2.17 ; C19#2.1 89.13,23.29 C20.1 89.05,22.83 88.94,22.71 v1(88.94,22.61) ; U1#2.21 89.28,11.73
  Top w0.325: 90.28,1.28 90.28,2.15 90.53,2.4 90.78,2.15 90.78,1.28
  Top w0.508: 93.74,32.74 C27#6.1 ; 93.74,32.74 93.9,32.91 93.9,33.95 ; 93.74,32.74 92.77,31.78 v1(91.23,31.78) ; v2(90.53,2.9) 90.53,2.4
  In2.Cu w0.508: v2(90.53,2.9) 90.53,3.4
  Bottom w0.325: J1#4.34 91.03,2.02 90.53,2.52 v2(90.53,2.9) J1#4.36
Board_7--10V: length 51.2
  Top w0.254: v1(85.49,18.28) 85.49,18.28 ; U1#2.15 91.43,14.45 C14#2.1 91.38,15.52 ; C28#7.1 94.56,33.11 94.56,34.37 U3.8 94.4,35.23 v2(93.78,35.85) ; 90.74,8.41 91.4,9.07 U1#2.26 ; U2#4.15 91.43,26.95 91.43,28.02 ; 90.75,20.91 90.74,20.91 91.4,21.57 U2#4.26 ; 91.38,28.02 C24#3.1 ; v1(85.49,29.17) 85.49,29.18
  Top w0.325: 85.49,29.18 90.23,29.18 91.38,28.02 ; v1(89.15,3.92) 91.48,6.25 91.48,7.67 90.74,8.41 ; 85.49,18.28 90.38,18.28 91.42,19.32 91.42,20.24 90.75,20.91 ; v1(85.49,16.62) 90.28,16.62 91.38,15.52 ; 81.78,1.28 81.78,2.15 81.53,2.4 81.28,2.15 81.28,1.28
  Top w0.508: C28#7.1 94.65,32.64 92.87,30.85 v1(86.28,30.85) ; v2(81.53,2.86) 81.53,2.4
  In2.Cu w0.508: v2(81.53,2.86) 81.53,3.29
  Bottom w0.325: J1#4.70 82.03,2.13 81.53,2.63 v2(81.53,2.86) J1#4.72
  vias: v2(91.53,38.1) v2(91.53,37.35) v2(91.53,36.6) v2(91.53,35.85) v2(92.28,38.1) v2(92.28,37.35) v2(92.28,36.6) v2(92.28,35.85) v2(93.03,38.1) v2(93.03,37.35) v2(93.03,36.6) v2(93.03,35.85) v2(93.78,38.1) v2(93.78,37.35) v2(93.78,36.6)
Board_7-CLR: length 53.8
  Top w0.186: U1#2.31 93.9,9.03 94.08,8.85 v2(94.93,8.85) ; U2#4.31 93.9,21.62 94.17,21.35 94.77,21.35 v2(94.95,21.53) ; v2(90.7,41.2) 90.7,40.53 90.9,40.32 U3.24
  Bottom w0.127: 97.19,3.46 97.19,4.74
  Bottom w0.186: 97.19,4.74 96.23,5.7 96.23,8.33 95.7,8.85 v2(94.93,8.85) 95.75,9.67 95.75,11.41 97.52,13.18 97.52,18.96 v2(94.95,21.53) 95.65,22.22 95.65,23.63 95.05,24.23 95.05,25.9 96.35,27.21 96.35,34.5 95.23,35.62 95.23,38.64 94.45,39.42 91.36,39.42 90.7,40.08 v2(90.7,41.2) ; 97.19,3.46 97.03,3.3 J1#4.10
Board_7-FAULT1: length 9.2
  Top w0.186: 94.78,1.28 94.88,1.38 94.88,6.14 R3#2.2 94.88,8.04 94.43,8.5 93.96,8.5 93.4,9.06 U1#2.30
Board_7-FAULT2: length 26.6
  Top w0.186: v2(92.31,18.88) 93.92,18.88 94.55,19.5 94.55,20.43 93.4,21.57 U2#4.30
  Top w0.2: v2(92.31,18.88) R1#4.2
  Bottom w0.186: v2(92.31,18.88) 90.75,17.31 90.75,10.16 95.03,5.88 J1#4.18
Board_7-GND: length 72.1
  Top w0.127: U1#2.9 94.41,14.43 ; U2#4.9 94.41,26.93
  Top w0.2: 84.28,1.28 84.28,2.16 84.39,2.27 v4(84.39,2.7) ; 85.28,1.28 85.28,2.16 85.39,2.27 v4(85.39,2.7) ; 89.28,1.27 89.28,2.16 89.39,2.27 v4(89.39,2.7) ; 88.28,1.28 88.28,2.16 88.39,2.27 v4(88.39,2.7) ; 86.28,1.28 86.28,2.16 86.39,2.27 v4(86.39,2.7) ; 83.28,1.28 83.28,2.19 83.38,2.29 v4(83.38,2.7) ; v4(87.39,2.7) 87.39,2.27 87.28,2.16 87.28,1.28
  Top w0.254: U2#4.1 95.1,22.72 v4(95.1,22.28) ; 95.74,35.58 95.59,35.73 U3.10 ; 95.74,35.58 95.74,34.96 95.41,34.63 v3(95.02,34.63) ; 95.74,35.58 95.74,36.09 95.6,36.22 U3.11 ; C17#2.2 v2(87.73,26.72) ; v2(92.53,7) 92.25,7.27 C12#6.2 ; C27#6.2 92.78,33 ; C15#5.2 v2(92.3,16.93) ; v4(94.85,14.43) U1#2.9 ; v4(94.85,26.93) U2#4.9 ; v2(89.86,6.98) C11#4.2 ; v2(91.43,16.93) C14#2.2 ; C8#7.2 v2(87.73,13.35) ; v4(91.9,27.45) U2#4.14 ; 90.2,36.73 89.59,36.73 89.44,36.58 v4(89.25,36.58) ; C7#7.2 v2(87.73,14.22) ; U3.5 v4(92.9,33.63) ; v4(94.78,22.03) 94.4,22.03 U2#4.32 ; C16#8.2 v2(93.12,6.9) ; 90.74,7.01 C13#4.2 ; C18#5.2 v2(87.73,25.85) ; v4(95.1,9.78) 95.1,10.22 U1#2.1 ; v4(95.1,14.12) 95.1,13.73 U1#2.8 ; C2#2.2 v2(87.68,38.48) ; C23#5.2 90.74,19.79 v2(90.46,19.51) ; C22#5.2 v2(92.25,19.5) ; C6#8.2 v2(93.67,29.55) ; C1#7.2 v2(87.68,39.4) ; U3.2 91.4,34.06 v4(91,33.65) ; C19#2.2 v2(87.73,24.08) ; U3.23 v4(91.4,40.33) ; v2(89.86,19.48) C21#4.2 ; U2#4.8 95.1,26.23 v4(95.1,26.62) ; C29#8.2 v2(93.9,41.98) ; C5#8.2 v2(94.55,29.43) ; U3.20 v4(92.9,39.94) ; C26#6.2 v2(93.12,19.4) ; v4(94.78,9.53) 94.4,9.53 U1#2.32 ; C4#5.2 v2(93.67,17.05) ; v4(91.9,14.95) U1#2.14 ; U3.27 89.68,37.73 v4(89.55,37.85) ; C3#5.2 v2(94.55,16.93) ; 88.17,23.2 v2(87.59,23.2) ; 88.17,10.7 v2(87.59,10.7) ; C25#3.2 v2(92.3,29.43) ; 91.43,28.98 v2(91.43,29.43) ; C9.2 v2(87.73,11.57) ; C30#7.2 v2(87.68,37.23)
  Top w0.325: 91.27,1.27 91.27,2.48 91.52,2.73 v3(91.52,2.73) ; v3(80.53,2.57) 80.78,2.32 80.78,1.28 ; v2(89.86,2.69) 89.78,2.61 89.78,1.28 ; 82.28,1.28 82.28,2.61 v2(82.36,2.69)
  Top w0.35: 96.28,2.23 96.28,1.28 ; 96.28,2.23 96.78,1.73 96.78,1.28 ; 96.28,2.23 v2(96.03,2.48) 95.78,2.23 ; 95.78,2.23 95.28,1.73 95.28,1.28 ; 95.78,2.23 95.78,1.28 ; 93.78,1.28 v3(93.78,2.33) ; 99.28,1.28 v3(99.28,2.33)
  Top w0.508: v2(95.23,33.73) 95.61,33.34 C28#7.2 ; 92.78,33 v3(92.23,32.45)
  Bottom w0.186: v3(80.53,2.57) 80.54,2.57
  Bottom w0.2: v4(87.39,2.7) 87.39,2.27 87.53,2.13 J1#4.48 ; J1#4.44 88.53,2.13 88.39,2.27 v4(88.39,2.7) ; J1#4.64 83.53,2.12 83.38,2.27 v4(83.38,2.7) ; J1#4.56 85.53,2.13 85.39,2.27 v4(85.39,2.7) ; J1#4.52 86.53,2.13 86.39,2.27 v4(86.39,2.7) ; 89.53,1.27 89.53,2.12 89.39,2.27 v4(89.39,2.7) ; v4(84.39,2.7) 84.39,2.27 84.53,2.13 J1#4.60
  Bottom w0.325: 81.03,1.28 81.03,2.08 80.54,2.57 ; J1#4.68 82.53,2.32 82.36,2.49 v2(82.36,2.69) ; 91.52,1.27 v3(91.52,2.73) ; v2(89.86,2.69) 89.86,2.49 90.03,2.32 J1#4.38
  Bottom w0.35: J1#4.22 94.03,2.08 v3(93.78,2.33) ; J1#4.2 99.03,2.08 v3(99.28,2.33) ; v2(96.03,2.48) J1#4.14 ; J1#4.8 v2(97.53,2.72)
  vias: v2(90.73,7) v2(91.53,25.6) v2(91.53,24.85) v2(91.53,24.1) v2(91.53,23.35) v2(91.53,13.1) v2(91.53,12.35) v2(91.53,11.6) v2(91.53,10.85) v2(91.85,41.83) v2(92.28,25.6) v2(92.28,24.85) v2(92.28,24.1) v2(92.28,23.35) v2(92.28,13.1) v2(92.28,12.35) v2(92.28,11.6) v2(92.28,10.85) v2(93.03,25.6) v2(93.03,24.85) v2(93.03,24.1) v2(93.03,23.35) v2(93.03,13.1) v2(93.03,12.35) v2(93.03,11.6) v2(93.03,10.85) v2(93.78,25.6) v2(93.78,24.85) v2(93.78,24.1) v2(93.78,23.35) v2(93.78,13.1) v2(93.78,12.35) v2(93.78,11.6) v2(93.78,10.85) v2(95.19,20.52) v2(96.23,37.39) v2(96.23,25.12) v2(96.23,12.68) v2(96.23,9.15) v2(97.43,35) v2(97.43,11.23) v2(97.5,23.75) v2(98.1,8.2) v2(98.75,37.38) v2(98.74,21.44) v4(79.53,41.43) v4(79.53,39.43) v4(79.53,37.43) v4(79.53,35.43) v4(79.53,33.43) v4(79.53,31.43) v4(79.53,29.43) v4(79.53,27.43) v4(79.53,25.43) v4(79.53,23.43) v4(79.53,21.43) v4(79.53,19.43) v4(79.53,17.43) v4(79.53,15.43) v4(79.53,13.43) v4(79.53,11.43) v4(79.53,9.43) v4(79.53,7.43) v4(79.53,5.43) v4(80.04,43.1) v4(80.36,4.13) v4(81.45,44.52) v4(82.87,45.93) v4(85,46.65) v4(85.5,27.69) v4(85.54,24.27) v4(85.6,20.92) v4(85.59,12.12) v4(87,46.65) v4(88.11,8.79) v4(88.74,31.56) v4(89,46.65) v4(89.93,32.7) v4(91,46.65) v4(91.73,3.31) v4(92.63,3.83) v4(93,46.65) v4(93.58,3.31) v4(95,46.65) v4(96.16,4.46) v4(97.13,45.93) v4(98.04,5.7) v4(98.54,44.51) v4(99.76,4.06) v4(99.96,43.1) v4(100.47,41.44) v4(100.47,39.44) v4(100.47,37.44) v4(100.47,35.44) v4(100.47,33.44) v4(100.47,31.44) v4(100.47,29.44) v4(100.47,27.44) v4(100.47,25.44) v4(100.47,23.44) v4(100.47,21.44) v4(100.47,19.44) v4(100.47,17.44) v4(100.47,15.44) v4(100.47,13.44) v4(100.47,11.44) v4(100.47,9.44) v4(100.47,7.44) v4(100.47,5.44)
